# KiCad board SP110Duo.kicad_pcb (continued)
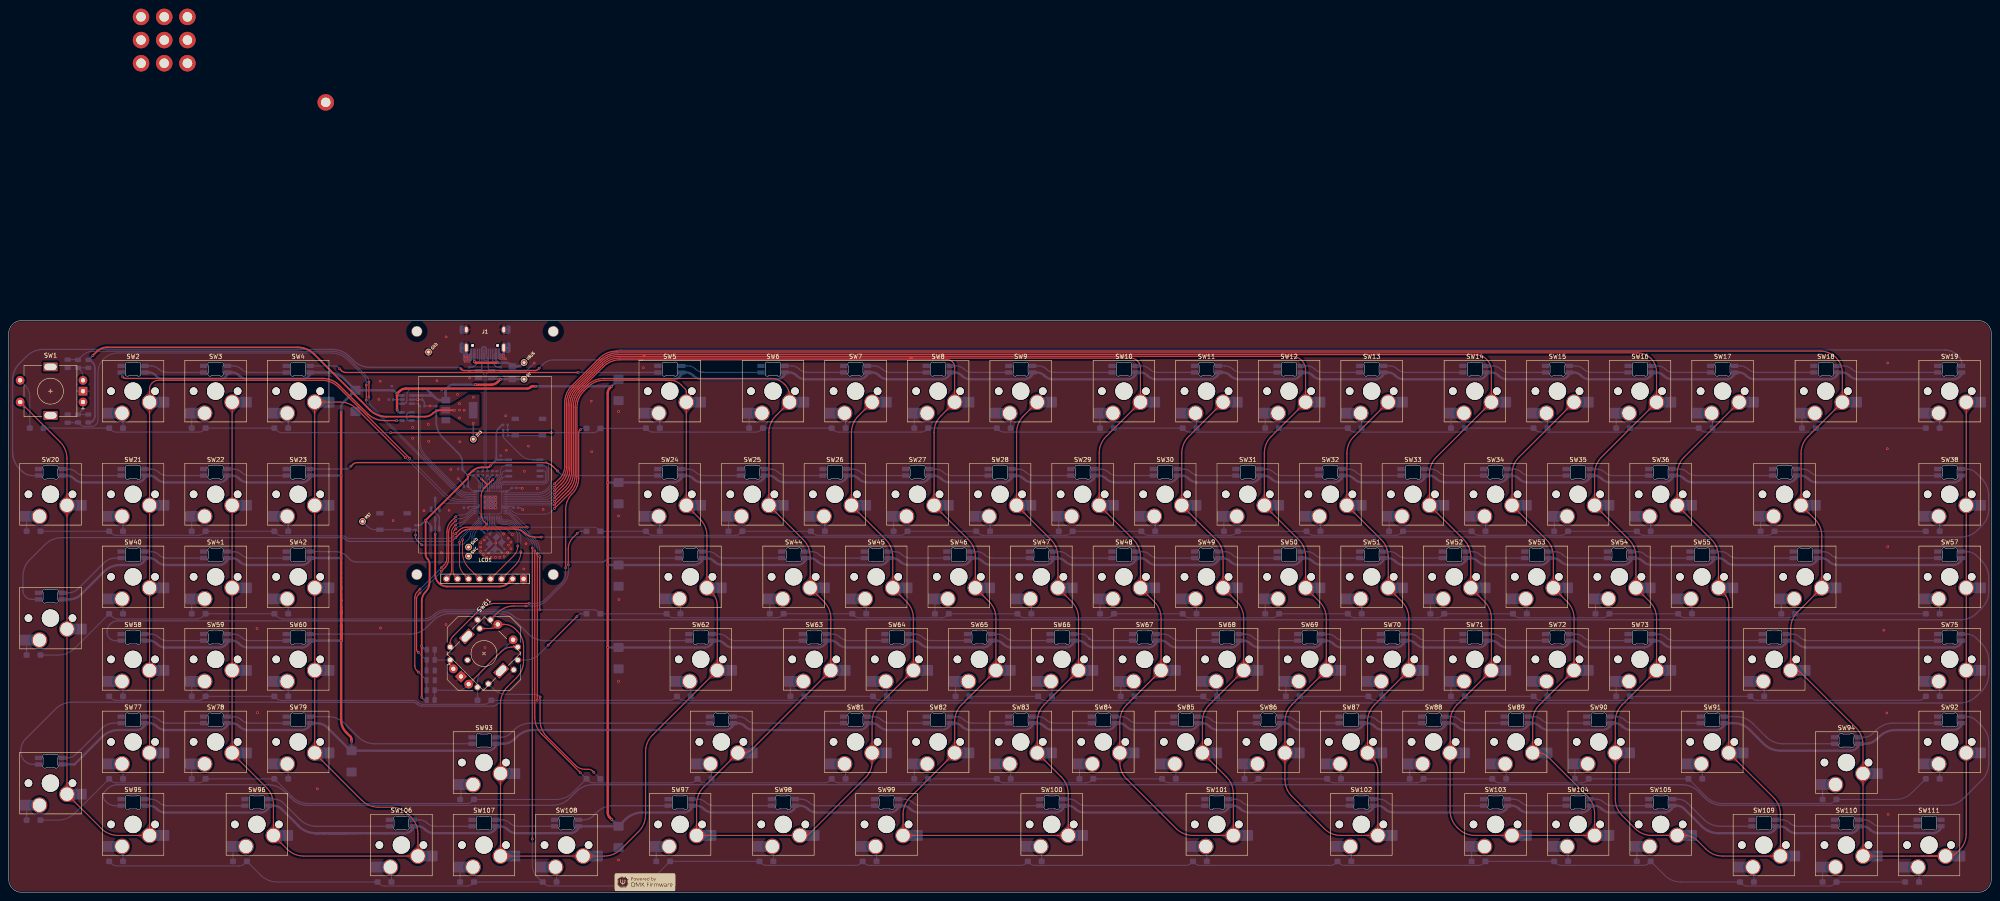
[diagram p0: board, top side]
## Routing (per net, layer and track width the routed paths; a pad name or vN(x,y) marks a point on that pad's centre or on a via; arc(x,y) is an arc through that point) (continued)
ROW3: length 470.7
  Top w0.25: v1(121.95,44.33) 121.95,45.35 arc(121.95,45.35) 121.95,45.35 121.95,78.16 arc(121.95,78.17) 121.95,78.17 v1(121.95,78.17) 121.95,78.1
  Bottom w0.2: U4.14 114.84,87.41 arc(115.12,87.36) 115.36,87.2 121.09,81.47 arc(121.72,80.51) 121.95,79.39 v1(121.95,78.17)
  Bottom w0.25: D58.1 23.65,44.79 arc(24.16,44.45) 24.76,44.33 43.86,44.33 arc(44.46,44.45) 44.97,44.79 arc(45.49,45.13) 46.09,45.25 60.95,45.25 arc(61.26,45.19) 61.52,45.01 61.76,44.78 arc(62.29,44.42) 62.91,44.3 93.36,44.3 arc(93.95,44.18) 94.45,43.85 arc(94.95,43.52) 95.53,43.4 109.78,43.4 arc(110.38,43.52) 110.89,43.86 111.12,44.1 arc(111.38,44.27) 111.68,44.33 152.58,44.33 arc(153.18,44.45) 153.69,44.79 arc(154.15,44.98) 154.62,44.79 arc(155.13,44.45) 155.73,44.33 181.97,44.33 arc(182.57,44.45) 183.09,44.79 arc(183.6,45.13) 184.2,45.25 199.07,45.25 arc(199.37,45.19) 199.63,45.02 199.86,44.79 arc(200.37,44.45) 200.98,44.33 220.07,44.33 arc(220.67,44.45) 221.19,44.79 221.42,45.02 arc(221.67,45.19) 221.98,45.25 236.84,45.25 arc(237.45,45.13) 237.96,44.79 arc(238.47,44.45) 239.08,44.33 258.17,44.33 arc(258.77,44.45) 259.29,44.79 259.52,45.02 arc(259.77,45.19) 260.08,45.25 274.94,45.25 arc(275.55,45.13) 276.06,44.79 arc(276.57,44.45) 277.18,44.33 296.27,44.33 arc(296.87,44.45) 297.39,44.79 297.62,45.02 arc(297.87,45.19) 298.18,45.25 313.04,45.25 arc(313.65,45.13) 314.16,44.79 arc(314.67,44.45) 315.28,44.33 334.37,44.33 arc(334.97,44.45) 335.49,44.79 335.72,45.02 arc(335.97,45.19) 336.28,45.25 351.14,45.25 arc(351.75,45.13) 352.26,44.79 arc(352.77,44.45) 353.38,44.33 372.47,44.33 arc(373.07,44.45) 373.59,44.79 373.82,45.02 arc(374.07,45.19) 374.38,45.25 401.15,45.25 arc(401.75,45.13) 402.27,44.79 arc(402.78,44.45) 403.38,44.33 440.71,44.33 arc(441.31,44.45) 441.82,44.79 D75.1
ROW4: length 520.1
  Top w0.25: v1(121.37,78.83) 121.37,40.38 arc(121.79,38.3) 122.97,36.53 v1(131.85,27.65)
  Bottom w0.2: U4.15 113.7,86.29 arc(113.73,86.16) 113.8,86.05 arc(113.91,85.98) 114.04,85.95 115.01,85.95 arc(116.03,85.75) 116.89,85.17 120.72,81.34 arc(121.2,80.62) 121.37,79.76 v1(121.37,78.83)
  Bottom w0.25: D92.1 439.12,23.03 arc(437.35,21.85) 435.27,21.44 422,21.44 arc(421.7,21.38) 421.44,21.21 421.21,20.98 arc(420.7,20.63) 420.09,20.51 395.46,20.51 arc(393.38,20.93) 391.61,22.11 D91.1 364.85,26.2 arc(364.55,26.14) 364.29,25.97 364.06,25.74 arc(363.55,25.4) 362.94,25.28 343.85,25.28 arc(343.25,25.4) 342.74,25.74 arc(342.22,26.08) 341.62,26.2 326.75,26.2 arc(326.45,26.14) 326.19,25.97 325.96,25.74 arc(325.45,25.4) 324.84,25.28 305.75,25.28 arc(305.15,25.4) 304.64,25.74 arc(304.12,26.08) 303.52,26.2 288.65,26.2 arc(288.35,26.14) 288.09,25.97 287.86,25.74 arc(287.35,25.4) 286.74,25.28 267.65,25.28 arc(267.05,25.4) 266.54,25.74 arc(266.02,26.08) 265.42,26.2 250.55,26.2 arc(250.25,26.14) 249.99,25.97 249.76,25.74 arc(249.25,25.4) 248.64,25.28 229.55,25.28 arc(228.95,25.4) 228.44,25.74 arc(227.92,26.08) 227.32,26.2 212.45,26.2 arc(212.15,26.14) 211.89,25.97 211.66,25.74 arc(211.15,25.4) 210.54,25.28 191.45,25.28 arc(190.85,25.4) 190.34,25.74 190.1,25.97 arc(189.87,26.07) 189.64,25.97 189.41,25.74 arc(188.9,25.4) 188.29,25.28 160.5,25.28 arc(159.89,25.4) 159.38,25.74 arc(158.92,25.93) 158.45,25.74 arc(157.94,25.4) 157.34,25.28 134.88,25.28 arc(134.27,25.4) 133.76,25.74 133.3,26.2 ; 133.3,26.2 130.13,23.03 arc(128.37,21.85) 126.28,21.44 107.68,21.44 arc(107.37,21.38) 107.12,21.21 106.89,20.98 arc(106.37,20.63) 105.77,20.51 69.23,20.51 arc(67.14,20.93) 65.38,22.11 D79.1 45.76,26.2 arc(45.46,26.14) 45.2,25.97 44.97,25.74 arc(44.46,25.4) 43.86,25.28 24.76,25.28 arc(24.16,25.4) 23.65,25.74 arc(23.19,25.93) 22.72,25.74 15.25,18.27 arc(13.49,17.09) 11.41,16.68 D76.2 ; 133.3,26.2 arc(133.3,26.2) D115.1 ; 133.3,26.2 arc(133.3,26.2) D115.1 ; v1(131.85,27.65) 133.3,26.2 arc(133.3,26.2) D115.1
ROW5: length 513.4
  Top w0.25: v1(120.8,79.5) v1(120.8,12.3)
  Bottom w0.2: v1(120.8,79.5) 120.8,80.13 arc(120.68,80.72) 120.35,81.21 116.75,84.82 arc(115.88,85.4) 114.86,85.6 114.08,85.6 arc(113.78,85.66) 113.53,85.83 113.48,85.87 arc(113.35,86.07) 113.3,86.32 U4.16
  Bottom w0.25: D111.1 422.33,2.39 arc(421.72,2.27) 421.21,1.93 arc(420.7,1.58) 420.09,1.46 401,1.46 arc(400.4,1.58) 399.89,1.93 arc(399.37,2.27) 398.77,2.39 385.83,2.39 arc(383.74,2.8) 381.98,3.98 379.04,6.92 arc(378.81,7.02) 378.58,6.92 378.35,6.69 arc(377.84,6.35) 377.23,6.23 358.14,6.23 arc(357.54,6.35) 357.02,6.69 arc(356.51,7.03) 355.91,7.15 341.04,7.15 arc(340.74,7.09) 340.48,6.92 340.25,6.69 arc(339.74,6.35) 339.13,6.23 308.13,6.23 arc(307.53,6.35) 307.02,6.69 arc(306.55,6.88) 306.09,6.69 arc(305.58,6.35) 304.98,6.23 274.8,6.23 arc(274.19,6.35) 273.68,6.69 arc(273.22,6.88) 272.75,6.69 arc(272.24,6.35) 271.64,6.23 236.7,6.23 arc(236.09,6.35) 235.58,6.69 arc(235.12,6.88) 234.65,6.69 arc(234.14,6.35) 233.54,6.23 198.6,6.23 arc(197.99,6.35) 197.48,6.69 197.25,6.92 arc(197.02,7.02) 196.79,6.92 196.55,6.69 arc(196.04,6.35) 195.44,6.23 174.78,6.23 arc(174.18,6.35) 173.67,6.69 arc(173.15,7.03) 172.55,7.15 D97.2 148.5,3.06 arc(146.73,1.88) 144.65,1.46 124.78,1.46 arc(124.17,1.58) 123.66,1.93 123.23,2.36 ; D95.1 23.71,6.63 arc(24.29,6.24) 24.98,6.1 53.17,6.1 arc(53.85,6.24) 54.43,6.63 arc(54.96,6.84) 55.49,6.63 58.13,3.98 arc(59.89,2.8) 61.98,2.39 84.44,2.39 arc(85.05,2.27) 85.56,1.93 arc(86.07,1.58) 86.68,1.46 105.77,1.46 arc(106.37,1.58) 106.89,1.93 107.12,2.16 arc(107.37,2.33) 107.68,2.39 123.15,2.39 ; 123.23,2.36 arc(123.19,2.38) 123.15,2.39 ; 123.23,2.36 arc(123.19,2.38) 123.15,2.39 ; 123.15,2.39 arc(123.11,2.4) 123.08,2.42 121.96,3.54 arc(121.1,4.82) 120.8,6.33 v1(120.8,12.3)
SWC: length 10.4
  Bottom w0.2: TP6.1 107.02,78.52 arc(107.15,78.72) 107.2,78.95 107.2,80.86 arc(107.58,82.76) 108.65,84.37 109.83,85.55 arc(110.03,85.84) 110.1,86.2 U4.24
SWD: length 8.1
  Bottom w0.2: U4.25 109.7,86.24 arc(109.64,85.94) 109.46,85.67 107.77,83.98 arc(107.09,82.96) 106.85,81.76 106.85,81.51 arc(106.66,80.53) TP7.1
XIN: length 8.9
  Bottom w0.2: 113.73,80.29 113.73,82.06 arc(113.69,82.23) 113.59,82.39 111.92,84.06 arc(111.76,84.3) 111.7,84.59 U4.20
  Bottom w0.25: Y1.3 113.73,80.1 arc(113.77,79.92) 113.87,79.76 C11.2
XOUT: length 4
  Bottom w0.2: R8.1 111.05,82.72 arc(111.24,83) 111.3,83.32 U4.21
Net-(BOOT1-Pad1): length 8
  Bottom w0.25: R12.1 BOOT1.1 BOOT1.1
Net-(C12-Pad2): length 4.1
  Bottom w0.2: 110.97,80.29 110.97,80.81
  Bottom w0.25: R8.2 110.84,81.42 arc(110.94,81.27) 110.97,81.1 110.97,80.17 arc(110.92,79.92) 110.79,79.72 C12.2
Net-(D1-K): length 11.8
  Bottom w0.25: D1.1 4.87,114.38 arc(4.58,115.84) 3.76,117.07 SW1.S1
Net-(D2-A): length 3.7
  Bottom w0.25: SW2.2 26.27,110.49 arc(26.36,110.36) 26.39,110.21 26.39,107.33 arc(26.34,107.27) 26.27,107.28 26.15,107.4
Net-(D3-K): length 3.5
  Bottom w0.25: D3.1 42.24,110.29 arc(42.26,110.41) 42.33,110.52 SW3.2
Net-(D4-A): length 3.5
  Bottom w0.25: SW4.2 64.37,110.49 arc(64.46,110.36) 64.49,110.21 D4.2
Net-(D5-A): length 3.7
  Bottom w0.25: 149.98,107.4 150.09,107.28 arc(150.17,107.27) 150.21,107.33 150.21,110.21 arc(150.18,110.36) 150.09,110.49 SW5.2
Net-(D6-K): length 3.6
  Bottom w0.25: 171.01,107.35 170.92,107.26 arc(170.86,107.25) 170.82,107.3 170.82,110.29 arc(170.85,110.41) 170.92,110.52 SW6.2
Net-(D7-A): length 3.7
  Bottom w0.25: 192.84,107.4 192.96,107.28 arc(193.03,107.27) 193.07,107.33 193.07,110.21 arc(193.04,110.36) 192.96,110.49 SW7.2
Net-(D8-K): length 3.6
  Bottom w0.25: SW8.2 209.02,110.52 arc(208.95,110.41) 208.92,110.29 208.92,107.3 arc(208.96,107.25) 209.02,107.26 209.11,107.35
Net-(D9-A): length 3.7
  Bottom w0.25: 230.94,107.4 231.06,107.28 arc(231.13,107.27) 231.17,107.33 231.17,110.21 arc(231.14,110.36) 231.06,110.49 SW9.2
Net-(D10-K): length 3.6
  Bottom w0.25: SW10.2 251.88,110.52 arc(251.81,110.41) 251.79,110.29 251.79,107.3 arc(251.82,107.25) 251.88,107.26 251.97,107.35
Net-(D11-A): length 3.7
  Bottom w0.25: 273.8,107.4 273.92,107.28 arc(273.99,107.27) 274.04,107.33 274.04,110.21 arc(274.01,110.36) 273.92,110.49 SW11.2
Net-(D12-K): length 3.6
  Bottom w0.25: SW12.2 289.98,110.52 arc(289.91,110.41) 289.89,110.29 289.89,107.3 arc(289.92,107.25) 289.98,107.26 290.07,107.35
Net-(D13-A): length 3.7
  Bottom w0.25: SW13.2 312.02,110.49 arc(312.11,110.36) 312.14,110.21 312.14,107.33 arc(312.09,107.27) 312.02,107.28 311.9,107.4
Net-(D14-K): length 3.6
  Bottom w0.25: SW14.2 332.84,110.52 arc(332.77,110.41) 332.75,110.29 332.75,107.3 arc(332.78,107.25) 332.84,107.26 332.94,107.35
Net-(D15-A): length 3.7
  Bottom w0.25: SW15.2 354.88,110.49 arc(354.97,110.36) 355,110.21 355,107.33 arc(354.96,107.27) 354.88,107.28 354.77,107.4
Net-(D16-K): length 3.6
  Bottom w0.25: 371.04,107.35 370.94,107.26 arc(370.88,107.25) 370.85,107.3 370.85,110.29 arc(370.87,110.41) 370.94,110.52 SW16.2
Net-(D17-A): length 3.5
  Bottom w0.25: D17.2 393.1,110.21 arc(393.07,110.36) 392.98,110.49 SW17.2
Net-(D18-K): length 3.5
  Bottom w0.25: SW18.2 413.8,110.52 arc(413.73,110.41) 413.71,110.29 D18.1
Net-(D19-A): length 3.5
  Bottom w0.25: D19.2 445.49,110.21 arc(445.46,110.36) 445.37,110.49 SW19.2
Net-(D20-K): length 3.5
  Bottom w0.25: D20.1 4.14,86.48 arc(4.16,86.6) 4.23,86.7 SW20.2
Net-(D21-A): length 3.5
  Bottom w0.25: D21.2 26.39,86.4 arc(26.36,86.55) 26.27,86.68 SW21.2
Net-(D22-K): length 3.5
  Bottom w0.25: SW22.2 42.33,86.7 arc(42.26,86.6) 42.24,86.48 D22.1
Net-(D23-A): length 3.5
  Bottom w0.25: D23.2 64.49,86.4 arc(64.46,86.55) 64.37,86.68 SW23.2
Net-(D24-A): length 3.5
  Bottom w0.25: D24.2 150.21,86.4 arc(150.18,86.55) 150.09,86.68 SW24.2
Net-(D25-K): length 3.5
  Bottom w0.25: D25.1 166.06,86.48 arc(166.08,86.6) 166.15,86.7 SW25.2
Net-(D26-A): length 3.5
  Bottom w0.25: D26.2 188.31,86.4 arc(188.28,86.55) 188.19,86.68 SW26.2
Net-(D27-K): length 3.5
  Bottom w0.25: SW27.2 204.25,86.7 arc(204.18,86.6) 204.16,86.48 D27.1
Net-(D28-A): length 3.5
  Bottom w0.25: D28.2 226.41,86.4 arc(226.38,86.55) 226.29,86.68 SW28.2
Net-(D29-K): length 3.5
  Bottom w0.25: D29.1 242.26,86.48 arc(242.28,86.6) 242.35,86.7 SW29.2
Net-(D30-A): length 3.5
  Bottom w0.25: D30.2 264.51,86.4 arc(264.48,86.55) 264.39,86.68 SW30.2
Net-(D31-K): length 3.5
  Bottom w0.25: SW31.2 280.45,86.7 arc(280.38,86.6) 280.36,86.48 D31.1
Net-(D32-A): length 3.5
  Bottom w0.25: D32.2 302.61,86.4 arc(302.58,86.55) 302.49,86.68 SW32.2
Net-(D33-K): length 3.5
  Bottom w0.25: D33.1 318.46,86.48 arc(318.48,86.6) 318.55,86.7 SW33.2
Net-(D34-A): length 3.5
  Bottom w0.25: D34.2 340.71,86.4 arc(340.68,86.55) 340.59,86.68 SW34.2
Net-(D35-K): length 3.5
  Bottom w0.25: D35.1 356.56,86.48 arc(356.58,86.6) 356.65,86.7 SW35.2
Net-(D36-A): length 3.5
  Bottom w0.25: D36.2 378.81,86.4 arc(378.78,86.55) 378.69,86.68 SW36.2
Net-(D37-K): length 3.5
  Bottom w0.25: D37.1 404.19,86.48 arc(404.21,86.6) 404.28,86.7 SW37.2
Net-(D38-A): length 3.5
  Bottom w0.25: SW38.2 445.37,86.68 arc(445.46,86.55) 445.49,86.4 D38.2
Net-(D39-K): length 3.5
  Bottom w0.25: SW39.2 4.23,58.13 arc(4.16,58.02) 4.14,57.9 D39.1
Net-(D40-A): length 3.5
  Bottom w0.25: D40.2 26.39,67.35 arc(26.36,67.5) 26.27,67.63 SW40.2
Net-(D41-K): length 3.5
  Bottom w0.25: D41.1 42.24,67.43 arc(42.26,67.55) 42.33,67.65 SW41.2
Net-(D42-A): length 3.5
  Bottom w0.25: SW42.2 64.37,67.63 arc(64.46,67.5) 64.49,67.35 D42.2
Net-(D43-A): length 3.5
  Bottom w0.25: SW43.2 154.86,67.63 arc(154.94,67.5) 154.97,67.35 D43.2
Net-(D44-K): length 3.5
  Bottom w0.25: D44.1 175.59,67.43 arc(175.61,67.55) 175.68,67.65 SW44.2
Net-(D45-A): length 3.5
  Bottom w0.25: SW45.2 197.72,67.63 arc(197.81,67.5) 197.84,67.35 D45.2
Net-(D46-K): length 3.5
  Bottom w0.25: SW46.2 213.78,67.65 arc(213.71,67.55) 213.69,67.43 D46.1
Net-(D47-A): length 3.5
  Bottom w0.25: SW47.2 235.82,67.63 arc(235.91,67.5) 235.94,67.35 D47.2
Net-(D48-K): length 3.5
  Bottom w0.25: SW48.2 251.88,67.65 arc(251.81,67.55) 251.79,67.43 D48.1
Net-(D49-A): length 3.5
  Bottom w0.25: SW49.2 273.92,67.63 arc(274.01,67.5) 274.04,67.35 D49.2
Net-(D50-K): length 3.5
  Bottom w0.25: SW50.2 289.98,67.65 arc(289.91,67.55) 289.89,67.43 D50.1
Net-(D51-A): length 3.5
  Bottom w0.25: SW51.2 312.02,67.63 arc(312.11,67.5) 312.14,67.35 D51.2
Net-(D52-K): length 3.5
  Bottom w0.25: D52.1 327.99,67.43 arc(328.01,67.55) 328.08,67.65 SW52.2
Net-(D53-A): length 3.5
  Bottom w0.25: D53.2 350.24,67.35 arc(350.21,67.5) 350.12,67.63 SW53.2
Net-(D54-K): length 3.5
  Bottom w0.25: SW54.2 366.18,67.65 arc(366.11,67.55) 366.09,67.43 D54.1
Net-(D55-A): length 3.5
  Bottom w0.25: SW55.2 388.22,67.63 arc(388.31,67.5) 388.34,67.35 D55.2
Net-(D56-K): length 3.5
  Bottom w0.25: D56.1 408.95,67.43 arc(408.97,67.55) 409.04,67.65 SW56.2
Net-(D57-A): length 3.5
  Bottom w0.25: SW57.2 445.37,67.63 arc(445.46,67.5) 445.49,67.35 D57.2
Net-(D58-A): length 3.5
  Bottom w0.25: SW58.2 26.27,48.58 arc(26.36,48.45) 26.39,48.3 D58.2
Net-(D59-K): length 3.5
  Bottom w0.25: SW59.2 42.33,48.6 arc(42.26,48.5) 42.24,48.38 D59.1
Net-(D60-A): length 3.5
  Bottom w0.25: SW60.2 64.37,48.58 arc(64.46,48.45) 64.49,48.3 D60.2
Net-(D62-A): length 3.5
  Bottom w0.25: SW62.2 157.24,48.58 arc(157.32,48.45) 157.35,48.3 D62.2
Net-(D63-K): length 3.5
  Bottom w0.25: D63.1 180.35,48.38 arc(180.37,48.5) 180.44,48.6 SW63.2
Net-(D64-A): length 3.5
  Bottom w0.25: D64.2 202.6,48.3 arc(202.57,48.45) 202.48,48.58 SW64.2
Net-(D65-K): length 3.5
  Bottom w0.25: SW65.2 218.54,48.6 arc(218.47,48.5) 218.45,48.38 D65.1
Net-(D66-A): length 3.5
  Bottom w0.25: SW66.2 240.58,48.58 arc(240.67,48.45) 240.7,48.3 D66.2
Net-(D67-K): length 3.5
  Bottom w0.25: D67.1 256.55,48.38 arc(256.57,48.5) 256.64,48.6 SW67.2
Net-(D68-A): length 3.5
  Bottom w0.25: D68.2 278.8,48.3 arc(278.77,48.45) 278.68,48.58 SW68.2
Net-(D69-K): length 3.5
  Bottom w0.25: D69.1 294.65,48.38 arc(294.67,48.5) 294.74,48.6 SW69.2
Net-(D70-A): length 3.5
  Bottom w0.25: D70.2 316.9,48.3 arc(316.87,48.45) 316.78,48.58 SW70.2
Net-(D71-K): length 3.5
  Bottom w0.25: D71.1 332.75,48.38 arc(332.77,48.5) 332.84,48.6 SW71.2
Net-(D72-A): length 3.5
  Bottom w0.25: SW72.2 354.88,48.58 arc(354.97,48.45) 355,48.3 D72.2
Net-(D73-K): length 3.5
  Bottom w0.25: SW73.2 370.94,48.6 arc(370.87,48.5) 370.85,48.38 D73.1
Net-(D74-A): length 3.5
  Bottom w0.25: SW74.2 404.89,48.58 arc(404.97,48.45) 405,48.3 D74.2
Net-(D75-A): length 3.5
  Bottom w0.25: SW75.2 445.37,48.58 arc(445.46,48.45) 445.49,48.3 D75.2
Net-(D76-K): length 3.5
  Bottom w0.25: SW76.2 4.23,20.03 arc(4.16,19.92) 4.14,19.8 D76.1
Net-(D77-A): length 3.5
  Bottom w0.25: SW77.2 26.27,29.53 arc(26.36,29.4) 26.39,29.25 D77.2
Net-(D78-K): length 3.5
  Bottom w0.25: D78.1 42.24,29.33 arc(42.26,29.45) 42.33,29.55 SW78.2
Net-(D79-A): length 3.5
  Bottom w0.25: SW79.2 64.37,29.53 arc(64.46,29.4) 64.49,29.25 D79.2
Net-(D80-A): length 3.5
  Bottom w0.25: SW80.2 162,29.53 arc(162.09,29.4) 162.12,29.25 D80.2
Net-(D81-A): length 3.5
  Bottom w0.25: D81.2 193.07,29.25 arc(193.04,29.4) 192.96,29.53 SW81.2
Net-(D82-K): length 3.5
  Bottom w0.25: SW82.2 209.02,29.55 arc(208.95,29.45) 208.92,29.33 D82.1
Net-(D83-A): length 3.5
  Bottom w0.25: D83.2 231.17,29.25 arc(231.14,29.4) 231.06,29.53 SW83.2
Net-(D84-K): length 3.5
  Bottom w0.25: D84.1 247.02,29.33 arc(247.05,29.45) 247.12,29.55 SW84.2
Net-(D85-A): length 3.5
  Bottom w0.25: SW85.2 269.16,29.53 arc(269.24,29.4) 269.27,29.25 D85.2
Net-(D86-K): length 3.5
  Bottom w0.25: D86.1 285.12,29.33 arc(285.15,29.45) 285.22,29.55 SW86.2
Net-(D87-A): length 3.5
  Bottom w0.25: D87.2 307.37,29.25 arc(307.34,29.4) 307.26,29.53 SW87.2
Net-(D88-K): length 3.5
  Bottom w0.25: D88.1 323.22,29.33 arc(323.25,29.45) 323.32,29.55 SW88.2
Net-(D89-A): length 3.5
  Bottom w0.25: SW89.2 345.36,29.53 arc(345.44,29.4) 345.47,29.25 D89.2
Net-(D90-K): length 3.5
  Bottom w0.25: D90.1 361.32,29.33 arc(361.35,29.45) 361.42,29.55 SW90.2
Net-(D91-A): length 3.5
  Bottom w0.25: SW91.2 390.6,29.53 arc(390.69,29.4) 390.72,29.25 D91.2
Net-(D92-A): length 3.5
  Bottom w0.25: D92.2 445.49,29.25 arc(445.46,29.4) 445.37,29.53 SW92.2
Net-(D93-K): length 3.5
  Bottom w0.25: SW93.2 104.34,21.76 arc(104.31,21.64) 104.24,21.53 D93.1
Net-(D94-K): length 3.5
  Bottom w0.25: SW94.2 418.57,24.79 arc(418.5,24.69) 418.47,24.56 D94.1
Net-(D95-A): length 3.5
  Bottom w0.25: D95.2 26.39,10.2 arc(26.36,10.35) 26.27,10.48 SW95.2
Net-(D96-K): length 3.5
  Bottom w0.25: SW96.2 51.85,10.5 arc(51.78,10.4) 51.76,10.28 D96.1
Net-(D97-K): length 3.5
  Bottom w0.25: D97.1 149.39,10.28 arc(149.42,10.4) 149.49,10.5 SW97.2
Net-(D98-A): length 3.5
  Bottom w0.25: SW98.2 176.29,10.48 arc(176.37,10.35) 176.4,10.2 D98.2
Net-(D99-A): length 3.5
  Bottom w0.25: SW99.2 200.1,10.48 arc(200.19,10.35) 200.22,10.2 D99.2
Net-(D100-A): length 3.5
  Bottom w0.25: SW100.2 238.2,10.48 arc(238.29,10.35) 238.32,10.2 D100.2
Net-(D101-A): length 3.5
  Bottom w0.25: SW101.2 276.3,10.48 arc(276.39,10.35) 276.42,10.2 D101.2
Net-(D102-A): length 3.5
  Bottom w0.25: D102.2 309.75,10.2 arc(309.72,10.35) 309.64,10.48 SW102.2
Net-(D103-K): length 3.5
  Bottom w0.25: SW103.2 337.6,10.5 arc(337.53,10.4) 337.51,10.28 D103.1
Net-(D104-A): length 3.5
  Bottom w0.25: D104.2 359.76,10.2 arc(359.73,10.35) 359.64,10.48 SW104.2
Net-(D105-K): length 3.5
  Bottom w0.25: SW105.2 375.7,10.5 arc(375.63,10.4) 375.61,10.28 D105.1
Net-(D106-A): length 3.5
  Bottom w0.25: D106.2 88.3,5.44 arc(88.27,5.59) 88.18,5.72 SW106.2
Net-(D107-K): length 3.5
  Bottom w0.25: D107.1 104.15,5.51 arc(104.17,5.64) 104.24,5.74 SW107.2
Net-(D108-A): length 3.5
  Bottom w0.25: SW108.2 126.28,5.72 arc(126.37,5.59) 126.4,5.44 D108.2
Net-(D109-A): length 3.5
  Bottom w0.25: SW109.2 402.51,5.72 arc(402.59,5.59) 402.62,5.44 D109.2
Net-(D110-K): length 3.5
  Bottom w0.25: SW110.2 418.57,5.74 arc(418.5,5.64) 418.47,5.51 D110.1
Net-(D111-A): length 3.5
  Bottom w0.25: D111.2 440.72,5.44 arc(440.69,5.59) 440.61,5.72 SW111.2
Net-(Q1-G): length 7.1
  Bottom w0.3: Q1.1 99.35,86.43 arc(99.3,86.7) 99.14,86.93 98.61,87.46 arc(98.46,87.7) 98.4,87.98 Q2.3
Net-(R11-Pad2): length 1.2
  Bottom w0.25: R11.2 115.12,106.7 arc(115.13,106.71) 115.13,106.72 R9.1
Net-(SW2-DOUT): length 14
  Bottom w0.3: 31.44,121.52 32.84,121.52 arc(33.82,121.32) 34.65,120.77 arc(35.48,120.21) 36.46,120.02 44.99,120.02
Net-(SW3-DOUT): length 14
  Bottom w0.3: 64.04,120.02 55.51,120.02 arc(54.53,120.21) 53.7,120.77 arc(52.87,121.32) 51.89,121.52 50.49,121.52
Net-(SW4-DOUT): length 80.7
  Top w0.3: v1(131.4,120) 77.8,120 arc(77.25,120.11) 76.77,120.42 v1(76.35,120.85)
  Bottom w0.3: v1(131.4,120) 131.41,120.01 arc(131.42,120.02) 131.43,120.02 149.77,120.02 ; 69.54,121.52 75.21,121.52 arc(75.64,121.43) 76.02,121.18 v1(76.35,120.85)
Net-(SW5-DOUT): length 18.7
  Bottom w0.3: 155.27,121.52 156.7,121.52 arc(157.68,121.32) 158.51,120.77 arc(159.34,120.21) 160.32,120.02 173.58,120.02
Net-(SW6-DOUT): length 14
  Bottom w0.3: 179.08,121.52 180.6,121.52 arc(181.58,121.32) 182.41,120.77 arc(183.24,120.21) 184.22,120.02 192.63,120.02
Net-(SW7-DOUT): length 14
  Bottom w0.3: 198.13,121.52 199.7,121.52 arc(200.68,121.32) 201.51,120.77 arc(202.34,120.21) 203.32,120.02 211.68,120.02
Net-(SW8-DOUT): length 14
  Bottom w0.3: 217.18,121.52 218.6,121.52 arc(219.58,121.32) 220.41,120.77 arc(221.24,120.21) 222.22,120.02 230.73,120.02
Net-(SW10-DIN): length 18.7
  Bottom w0.3: 236.23,121.52 237.6,121.52 arc(238.58,121.32) 239.41,120.77 arc(240.24,120.21) 241.22,120.02 254.54,120.02
Net-(SW10-DOUT): length 14
  Bottom w0.3: 273.59,120.02 265.02,120.02 arc(264.04,120.21) 263.21,120.77 arc(262.38,121.32) 261.4,121.52 260.04,121.52
Net-(SW11-DOUT): length 14
  Bottom w0.3: 279.09,121.52 280.6,121.52 arc(281.58,121.32) 282.41,120.77 arc(283.24,120.21) 284.22,120.02 292.64,120.02
Net-(SW12-DOUT): length 14
  Bottom w0.3: 311.69,120.02 303.12,120.02 arc(302.14,120.21) 301.31,120.77 arc(300.48,121.32) 299.5,121.52 298.14,121.52
Net-(SW13-DOUT): length 18.7
  Bottom w0.3: 335.51,120.02 322.22,120.02 arc(321.24,120.21) 320.41,120.77 arc(319.58,121.32) 318.6,121.52 317.19,121.52
Net-(SW14-DOUT): length 14
  Bottom w0.3: 354.56,120.02 346.02,120.02 arc(345.04,120.21) 344.21,120.77 arc(343.38,121.32) 342.4,121.52 341.01,121.52
Net-(SW15-DOUT): length 14
  Bottom w0.3: 373.61,120.02 365.12,120.02 arc(364.14,120.21) 363.31,120.77 arc(362.48,121.32) 361.5,121.52 360.06,121.52
Net-(SW16-DOUT): length 14
  Bottom w0.3: 379.11,121.52 380.4,121.52 arc(381.38,121.32) 382.21,120.77 arc(383.04,120.21) 384.02,120.02 392.66,120.02
Net-(SW17-DOUT): length 18.7
  Bottom w0.3: 398.16,121.52 399.5,121.52 arc(400.48,121.32) 401.31,120.77 arc(402.14,120.21) 403.12,120.02 416.47,120.02
Net-(SW18-DOUT): length 23.5
  Bottom w0.3: 445.04,120.02 427.02,120.02 arc(426.04,120.21) 425.21,120.77 arc(424.38,121.32) 423.4,121.52 421.97,121.52
Net-(SW19-DOUT): length 484.3
  Top w0.3: v1(122.4,121) 122.12,120.72 arc(121.82,120.52) 121.46,120.45 105.03,120.45 arc(104.77,120.5) 104.55,120.65 v1(104.35,120.85)
  Bottom w0.3: v1(104.35,120.85) 104.17,121.03 arc(103.98,121.15) 103.75,121.2 83.36,121.2 arc(81.27,121.61) 79.51,122.79 78.57,123.73 arc(76.8,124.91) 74.72,125.33 7.98,125.33 arc(5.9,124.91) 4.13,123.73 2.58,122.18 arc(2.49,122.09) 2.41,122.01 arc(2.33,121.92) 2.25,121.83 2.18,121.74 arc(2.03,121.56) 1.89,121.37 arc(1.75,121.17) 1.63,120.97 arc(1.52,120.76) 1.41,120.54 arc(1.32,120.33) 1.23,120.11 arc(1.15,119.88) 1.09,119.65 arc(1.03,119.42) 0.99,119.19 arc(0.95,118.96) 0.92,118.72 0.91,118.6 arc(0.9,118.48) 0.9,118.36 arc(0.9,118.25) 0.9,118.13 0.9,101.77 arc(0.9,101.65) 0.9,101.54 arc(0.9,101.42) 0.91,101.3 0.92,101.18 arc(0.95,100.94) 0.99,100.71 arc(1.03,100.48) 1.09,100.25 arc(1.15,100.02) 1.23,99.79 arc(1.32,99.57) 1.41,99.36 arc(1.52,99.14) 1.63,98.93 arc(1.75,98.73) 1.89,98.53 arc(2.03,98.34) 2.18,98.16 2.25,98.07 arc(2.33,97.98) 2.41,97.89 arc(2.49,97.81) 2.58,97.72 3.04,97.26 arc(3.1,97.2) 3.17,97.13 arc(3.24,97.07) 3.31,97 3.39,96.95 arc(3.54,96.83) 3.7,96.73 arc(3.86,96.63) 4.03,96.54 arc(4.2,96.47) 4.38,96.4 arc(4.56,96.34) 4.74,96.29 arc(4.93,96.26) 5.12,96.23 5.21,96.22 arc(5.3,96.21) 5.4,96.21 arc(5.49,96.21) 5.59,96.21 SW20.5 ; 450.54,121.52 450.54,122.17 arc(450.54,122.24) 450.54,122.31 arc(450.54,122.37) 450.53,122.44 450.52,122.51 arc(450.49,122.64) 450.46,122.77 arc(450.41,122.9) 450.35,123.02 arc(450.29,123.14) 450.21,123.26 450.17,123.31 arc(450.13,123.37) 450.08,123.42 arc(450.03,123.47) 449.99,123.51 449.49,124.01 arc(449.42,124.08) 449.35,124.14 arc(449.29,124.21) 449.21,124.27 449.14,124.33 arc(448.99,124.44) 448.84,124.55 arc(448.68,124.65) 448.52,124.75 arc(448.35,124.83) 448.18,124.91 arc(448,124.97) 447.82,125.03 arc(447.64,125.08) 447.46,125.12 arc(447.28,125.16) 447.09,125.18 447,125.19 arc(446.9,125.2) 446.81,125.2 arc(446.71,125.2) 446.62,125.2 141.48,125.2 arc(139.98,124.9) 138.7,124.05 arc(137.43,123.2) 135.93,122.9 125.64,122.9 arc(124.4,122.65) 123.35,121.95 v1(122.4,121)
Net-(SW20-DOUT): length 14
  Bottom w0.3: SW20.4 13.79,97.71 arc(14.77,97.51) 15.6,96.96 arc(16.44,96.4) 17.42,96.21 SW21.5
Net-(SW21-DOUT): length 14
  Bottom w0.3: SW21.4 32.84,97.71 arc(33.82,97.51) 34.65,96.96 arc(35.48,96.4) 36.46,96.21 SW22.5
Net-(SW22-DOUT): length 14
  Bottom w0.3: SW23.5 55.51,96.21 arc(54.53,96.4) 53.7,96.96 arc(52.87,97.51) 51.89,97.71 SW22.4
Net-(SW23-DOUT): length 81.8
  Top w0.3: v1(126.65,97.25) 125.67,98.22 arc(124.6,98.95) 123.32,99.2 80.39,99.2 arc(79.84,99.09) 79.37,98.78 v1(78.95,98.35)
  Bottom w0.3: SW24.5 128.43,96.21 arc(127.75,96.34) 127.17,96.73 v1(126.65,97.25) ; SW23.4 77.84,97.71 arc(78.27,97.79) 78.62,98.03 v1(78.95,98.35)
Net-(SW24-DOUT): length 14
  Bottom w0.3: SW25.5 160.33,96.21 arc(159.35,96.4) 158.52,96.96 arc(157.69,97.51) 156.71,97.71 SW24.4
Net-(SW25-DOUT): length 14
  Bottom w0.3: SW25.4 175.74,97.71 arc(176.72,97.51) 177.55,96.96 arc(178.38,96.4) 179.36,96.21 SW26.5
Net-(SW26-DOUT): length 14
  Bottom w0.3: SW27.5 198.41,96.21 arc(197.43,96.4) 196.6,96.96 arc(195.77,97.51) 194.79,97.71 SW26.4
Net-(SW27-DOUT): length 14
  Bottom w0.3: SW27.4 213.84,97.71 arc(214.82,97.51) 215.65,96.96 arc(216.48,96.4) 217.46,96.21 SW28.5
Net-(SW28-DOUT): length 14
  Bottom w0.3: SW28.4 232.89,97.71 arc(233.87,97.51) 234.7,96.96 arc(235.53,96.4) 236.51,96.21 SW29.5
Net-(SW29-DOUT): length 14
  Bottom w0.3: SW30.5 255.56,96.21 arc(254.58,96.4) 253.75,96.96 arc(252.92,97.51) 251.94,97.71 SW29.4
Net-(SW30-DOUT): length 14
  Bottom w0.3: SW30.4 270.99,97.71 arc(271.97,97.51) 272.8,96.96 arc(273.63,96.4) 274.61,96.21 SW31.5
Net-(SW31-DOUT): length 14
  Bottom w0.3: SW31.4 290.03,97.71 arc(291.01,97.51) 291.85,96.96 arc(292.68,96.4) 293.66,96.21 SW32.5
Net-(SW32-DOUT): length 14
  Bottom w0.3: SW33.5 312.7,96.21 arc(311.73,96.4) 310.89,96.96 arc(310.06,97.51) 309.08,97.71 SW32.4
Net-(SW33-DOUT): length 14
  Bottom w0.3: SW34.5 331.75,96.21 arc(330.77,96.4) 329.94,96.96 arc(329.11,97.51) 328.13,97.71 SW33.4
Net-(SW34-DOUT): length 14
  Bottom w0.3: SW34.4 347.18,97.71 arc(348.16,97.51) 348.99,96.96 arc(349.82,96.4) 350.8,96.21 SW35.5
Net-(SW35-DOUT): length 14
  Bottom w0.3: SW36.5 370.05,96.21 arc(369.07,96.4) 368.24,96.96 arc(367.41,97.51) 366.43,97.71 SW35.4
Net-(SW36-DOUT): length 23.5
  Bottom w0.3: SW37.5 389.1,96.21 arc(388.12,96.4) 387.29,96.96 arc(386.46,97.51) 385.48,97.71 SW36.4
Net-(SW37-DOUT): length 33
  Bottom w0.3: SW37.4 413.91,97.71 arc(414.89,97.51) 415.72,96.96 arc(416.55,96.4) 417.53,96.21 SW38.5
Net-(SW38-DOUT): length 484.3
  Top w0.3: v1(103.15,81.9) 104.14,82.89 arc(105.23,83.62) 106.52,83.88 116.8,83.88 arc(118.02,83.63) 119.06,82.94 arc(120.1,82.24) 121.33,82 v1(122.9,82)
  Bottom w0.3: SW39.5 5.29,67.63 arc(4.53,67.78) 3.88,68.22 arc(3.45,68.86) 3.3,69.63 3.3,72.95 arc(3.71,75.03) 4.89,76.79 8.38,80.28 arc(10.15,81.46) 12.23,81.88 76.71,81.88 arc(77.28,81.76) 77.76,81.44 arc(78.25,81.11) 78.82,81 101.61,81 arc(102.2,81.12) 102.7,81.45 v1(103.15,81.9) ; SW38.4 451.77,97.71 arc(452.9,97.48) 453.86,96.84 455.21,95.49 arc(456.39,93.73) 456.8,91.65 456.8,88.45 arc(456.39,86.37) 455.21,84.61 454.2,83.6 arc(452.43,82.42) 450.35,82 122.9,82 arc(122.9,82) v1(122.9,82)
Net-(SW39-DOUT): length 16.6
  Bottom w0.3: SW40.5 24.53,77.16 arc(23.22,76.9) 22.11,76.15 16.03,70.08 arc(14.98,69.38) 13.74,69.13 SW39.4
Net-(SW40-DOUT): length 14
  Bottom w0.3: SW40.4 32.84,78.66 arc(33.82,78.46) 34.65,77.91 arc(35.49,77.35) 36.47,77.16 SW41.5
Net-(SW41-DOUT): length 14
  Bottom w0.3: SW42.5 55.51,77.16 arc(54.53,77.35) 53.7,77.91 arc(52.87,78.46) 51.89,78.66 SW41.4
Net-(SW42-DOUT): length 86
  Bottom w0.3: SW42.4 75.35,78.66 arc(76.82,78.36) 78.07,77.53 78.71,76.89 arc(79.42,76.42) 80.25,76.25 136.98,76.25 arc(137.32,76.32) 137.61,76.51 137.88,76.78 arc(138.3,77.06) 138.79,77.16 SW43.5
Net-(SW43-DOUT): length 18.7
  Bottom w0.3: SW44.5 165.08,77.16 arc(164.1,77.35) 163.27,77.91 arc(162.44,78.46) 161.46,78.66 SW43.4
Net-(SW44-DOUT): length 14
  Bottom w0.3: SW44.4 185.27,78.66 arc(186.25,78.46) 187.08,77.91 arc(187.91,77.35) 188.89,77.16 SW45.5
Net-(SW45-DOUT): length 14
  Bottom w0.3: SW46.5 207.94,77.16 arc(206.96,77.35) 206.13,77.91 arc(205.3,78.46) 204.32,78.66 SW45.4
Net-(SW46-DOUT): length 14
  Bottom w0.3: SW46.4 223.37,78.66 arc(224.35,78.46) 225.18,77.91 arc(226.01,77.35) 226.99,77.16 SW47.5
Net-(SW47-DOUT): length 14
  Bottom w0.3: SW47.4 242.41,78.66 arc(243.39,78.46) 244.22,77.91 arc(245.06,77.35) 246.04,77.16 SW48.5
Net-(SW48-DOUT): length 14
  Bottom w0.3: SW49.5 265.08,77.16 arc(264.1,77.35) 263.27,77.91 arc(262.44,78.46) 261.46,78.66 SW48.4
Net-(SW49-DOUT): length 14
  Bottom w0.3: SW50.5 284.13,77.16 arc(283.15,77.35) 282.32,77.91 arc(281.49,78.46) 280.51,78.66 SW49.4
Net-(SW50-DOUT): length 14
  Bottom w0.3: SW50.4 299.56,78.66 arc(300.54,78.46) 301.37,77.91 arc(302.2,77.35) 303.18,77.16 SW51.5
Net-(SW51-DOUT): length 14
  Bottom w0.3: SW52.5 322.23,77.16 arc(321.25,77.35) 320.42,77.91 arc(319.59,78.46) 318.61,78.66 SW51.4
Net-(SW52-DOUT): length 14
  Bottom w0.3: SW53.5 341.28,77.16 arc(340.3,77.35) 339.47,77.91 arc(338.64,78.46) 337.66,78.66 SW52.4
Net-(SW53-DOUT): length 14
  Bottom w0.3: SW53.4 356.71,78.66 arc(357.69,78.46) 358.52,77.91 arc(359.35,77.35) 360.33,77.16 SW54.5
Net-(SW54-DOUT): length 14
  Bottom w0.3: SW55.5 379.38,77.16 arc(378.4,77.35) 377.57,77.91 arc(376.74,78.46) 375.76,78.66 SW54.4
Net-(SW55-DOUT): length 18.7
  Bottom w0.3: SW56.5 398.62,77.16 arc(397.64,77.35) 396.81,77.91 arc(395.98,78.46) 395,78.66 SW55.4
Net-(SW56-DOUT): length 28.2
  Bottom w0.3: SW56.4 418.62,78.66 arc(419.6,78.46) 420.43,77.91 arc(421.26,77.35) 422.24,77.16 SW57.5
Net-(SW57-DOUT): length 457.6
  Bottom w0.3: SW57.4 451.79,78.66 arc(452.95,78.43) 453.93,77.77 455.21,76.49 arc(456.39,74.73) 456.8,72.65 456.8,69.45 arc(456.39,67.37) 455.21,65.61 454.09,64.49 arc(452.33,63.31) 450.25,62.9 118.63,62.9 arc(117.4,63.14) 116.36,63.84 arc(115.33,64.53) 114.1,64.78 100.86,64.78 arc(99.49,64.5) 98.32,63.72 arc(97.16,62.95) 95.79,62.68 25.22,62.68 arc(24.25,62.48) 23.44,61.94 23.41,61.91 arc(22.88,61.12) 22.7,60.2 22.7,59.97 arc(22.84,59.26) 23.25,58.65 arc(23.85,58.25) 24.57,58.11 SW58.5
Net-(SW58-DOUT): length 14
  Bottom w0.3: SW59.5 36.47,58.11 arc(35.49,58.3) 34.66,58.86 arc(33.83,59.41) 32.85,59.61 SW58.4
Net-(SW59-DOUT): length 14
  Bottom w0.3: SW59.4 51.89,59.61 arc(52.87,59.41) 53.7,58.86 arc(54.54,58.3) 55.52,58.11 SW60.5
Net-(SW60-DOUT): length 91
  Bottom w0.3: SW60.4 92.59,59.61 arc(94.67,60.02) 96.44,61.2 97.97,62.73 arc(99.73,63.91) 101.81,64.32 112.99,64.32 arc(115.07,63.91) 116.83,62.73 119.86,59.7 arc(121.63,58.52) 123.71,58.11 SW62.5
Net-(SW62-DOUT): length 21.1
  Bottom w0.3: SW62.4 163.93,59.61 arc(164.91,59.41) 165.74,58.86 arc(166.57,58.3) 167.55,58.11 SW63.5
Net-(SW63-DOUT): length 14
  Bottom w0.3: SW64.5 193.65,58.11 arc(192.67,58.3) 191.84,58.86 arc(191.01,59.41) 190.03,59.61 SW63.4
Net-(SW64-DOUT): length 14
  Bottom w0.3: SW64.4 209.08,59.61 arc(210.06,59.41) 210.89,58.86 arc(211.72,58.3) 212.7,58.11 SW65.5
Net-(SW65-DOUT): length 14
  Bottom w0.3: SW66.5 231.75,58.11 arc(230.77,58.3) 229.94,58.86 arc(229.11,59.41) 228.13,59.61 SW65.4
Net-(SW66-DOUT): length 14.1
  Bottom w0.3: SW66.4 247.73,59.61 arc(248.2,59.51) 248.59,59.25 249.34,58.5 arc(249.78,58.21) 250.3,58.11 SW67.5
Net-(SW67-DOUT): length 14
  Bottom w0.3: SW68.5 270.05,58.11 arc(269.07,58.3) 268.24,58.86 arc(267.4,59.41) 266.42,59.61 SW67.4
Net-(SW68-DOUT): length 14
  Bottom w0.3: SW68.4 285.28,59.61 arc(286.25,59.41) 287.09,58.86 arc(287.92,58.3) 288.9,58.11 SW69.5
Net-(SW69-DOUT): length 14
  Bottom w0.3: SW70.5 307.95,58.11 arc(306.97,58.3) 306.13,58.86 arc(305.3,59.41) 304.32,59.61 SW69.4
Net-(SW70-DOUT): length 14
  Bottom w0.3: SW71.5 326.99,58.11 arc(326.01,58.3) 325.18,58.86 arc(324.35,59.41) 323.37,59.61 SW70.4
Net-(SW71-DOUT): length 14
  Bottom w0.3: SW71.4 342.42,59.61 arc(343.4,59.41) 344.23,58.86 arc(345.06,58.3) 346.04,58.11 SW72.5
Net-(SW72-DOUT): length 14
  Bottom w0.3: SW72.4 361.47,59.61 arc(362.45,59.41) 363.28,58.86 arc(364.11,58.3) 365.09,58.11 SW73.5
Net-(SW73-DOUT): length 25.9
  Bottom w0.3: SW73.4 380.52,59.61 arc(381.5,59.41) 382.33,58.86 arc(383.16,58.3) 384.14,58.11 SW74.5
Net-(SW74-DOUT): length 35.4
  Bottom w0.3: SW74.4 411.47,59.61 arc(412.45,59.41) 413.28,58.86 arc(414.11,58.3) 415.09,58.11 SW75.5
Net-(SW75-DOUT): length 482.2
  Bottom w0.3: SW76.5 5.65,29.53 arc(4.56,29.75) 3.63,30.37 arc(3.02,31.29) 2.8,32.38 2.8,32.75 arc(3.08,34.18) 3.9,35.4 10.81,42.31 arc(12.57,43.49) 14.65,43.9 26.3,43.9 arc(26.3,43.9) 26.3,43.9 arc(26.3,43.9) 26.3,43.9 62.02,43.9 arc(62.03,43.9) 62.05,43.89 arc(62.06,43.88) 62.08,43.88 93.19,43.88 arc(93.78,43.76) 94.27,43.43 arc(94.77,43.09) 95.36,42.98 111.66,42.98 arc(112.14,43.07) 112.54,43.34 arc(112.94,43.61) 113.41,43.7 450.15,43.7 arc(452.23,44.11) 453.99,45.29 455.21,46.51 arc(456.39,48.27) 456.8,50.35 456.8,53.55 arc(456.39,55.63) 455.21,57.39 453.86,58.74 arc(452.9,59.38) 451.77,59.61 SW75.4
Net-(SW76-DOUT): length 16.6
  Bottom w0.3: SW77.5 24.33,39.06 arc(22.83,38.76) 21.57,37.91 15.49,31.84 arc(14.6,31.24) 13.54,31.03 SW76.4
Net-(SW77-DOUT): length 14
  Bottom w0.3: SW78.5 36.47,39.06 arc(35.49,39.25) 34.66,39.81 arc(33.83,40.36) 32.85,40.56 SW77.4
Net-(SW78-DOUT): length 14
  Bottom w0.3: SW79.5 55.52,39.06 arc(54.54,39.25) 53.71,39.81 arc(52.88,40.36) 51.9,40.56 SW78.4
Net-(SW79-DOUT): length 39.5
  Bottom w0.3: SW79.4 73.69,40.56 arc(75.77,40.14) 77.54,38.96 80.61,35.89 arc(82.38,34.71) 84.46,34.29 SW93.5
Net-(SW80-DIN): length 50.3
  Bottom w0.3: SW80.5 120.41,39.06 arc(118.33,38.64) 116.57,37.46 115.78,36.67 arc(114.8,36.02) 113.65,35.79 SW93.4
Net-(SW80-DOUT): length 25.9
  Bottom w0.3: SW80.4 168.48,40.56 arc(169.46,40.36) 170.29,39.81 arc(171.12,39.25) 172.1,39.06 SW81.5
Net-(SW81-DOUT): length 14
  Bottom w0.3: SW81.4 199.58,40.56 arc(200.56,40.36) 201.39,39.81 arc(202.22,39.25) 203.2,39.06 SW82.5
Net-(SW82-DOUT): length 14
  Bottom w0.3: SW82.4 218.58,40.56 arc(219.56,40.36) 220.39,39.81 arc(221.22,39.25) 222.2,39.06 SW83.5
Net-(SW83-DOUT): length 14
  Bottom w0.3: SW84.5 241.2,39.06 arc(240.22,39.25) 239.39,39.81 arc(238.56,40.36) 237.58,40.56 SW83.4
Net-(SW84-DOUT): length 14
  Bottom w0.3: SW85.5 260.3,39.06 arc(259.32,39.25) 258.49,39.81 arc(257.66,40.36) 256.68,40.56 SW84.4
Net-(SW85-DOUT): length 14
  Bottom w0.3: SW86.5 279.3,39.06 arc(278.32,39.25) 277.49,39.81 arc(276.66,40.36) 275.68,40.56 SW85.4
Net-(SW86-DOUT): length 14
  Bottom w0.3: SW86.4 294.78,40.56 arc(295.76,40.36) 296.59,39.81 arc(297.42,39.25) 298.4,39.06 SW87.5
Net-(SW87-DOUT): length 14
  Bottom w0.3: SW88.5 317.4,39.06 arc(316.42,39.25) 315.59,39.81 arc(314.76,40.36) 313.78,40.56 SW87.4
Net-(SW88-DOUT): length 14
  Bottom w0.3: SW88.4 332.88,40.56 arc(333.86,40.36) 334.69,39.81 arc(335.52,39.25) 336.5,39.06 SW89.5
Net-(SW89-DOUT): length 14
  Bottom w0.3: SW89.4 351.88,40.56 arc(352.86,40.36) 353.69,39.81 arc(354.52,39.25) 355.5,39.06 SW90.5
Net-(SW90-DOUT): length 21.1
  Bottom w0.3: SW91.5 374.6,39.06 arc(373.62,39.25) 372.79,39.81 arc(371.96,40.36) 370.98,40.56 SW90.4
Net-(SW91-DOUT): length 27.6
  Bottom w0.3: SW94.5 409.31,34.29 arc(407.23,34.71) 405.46,35.89 402.39,38.96 arc(400.62,40.14) 398.54,40.56 SW91.4
Net-(SW92-DIN): length 19.3
  Bottom w0.3: SW94.4 427.96,35.79 arc(429.1,36.02) 430.06,36.66 430.86,37.46 arc(432.63,38.64) 434.71,39.06 SW92.5
Net-(SW92-DOUT): length 465.4
  Bottom w0.3: SW95.5 24.52,20.01 arc(23.48,20.21) 22.6,20.8 22.26,21.14 arc(21.92,21.65) 21.8,22.25 arc(21.92,22.85) 22.26,23.36 22.78,23.88 arc(23.86,24.6) 25.13,24.85 59.78,24.85 arc(61.86,24.44) 63.63,23.26 65.2,21.68 arc(66.97,20.5) 69.05,20.09 125.53,20.09 arc(127.62,20.5) 129.38,21.68 130.96,23.26 arc(132.72,24.44) 134.81,24.85 386.01,24.85 arc(388.09,24.44) 389.86,23.26 391.43,21.68 arc(393.2,20.5) 395.28,20.09 447.14,20.09 arc(449.22,20.5) 450.98,21.68 455.21,25.91 arc(456.39,27.67) 456.8,29.75 456.8,34.55 arc(456.39,36.63) 455.21,38.39 453.93,39.67 arc(452.95,40.33) 451.79,40.56 SW92.4
Net-(SW95-DOUT): length 23.5
  Bottom w0.3: SW95.4 32.85,21.51 arc(33.83,21.31) 34.66,20.76 arc(35.49,20.2) 36.47,20.01 SW96.5
Net-(SW97-DOUT): length 18.7
  Bottom w0.3: SW97.4 159.03,21.51 arc(160.01,21.31) 160.84,20.76 arc(161.67,20.2) 162.65,20.01 SW98.5
Net-(SW98-DOUT): length 18.7
  Bottom w0.3: SW99.5 186.45,20.01 arc(185.47,20.2) 184.64,20.76 arc(183.81,21.31) 182.83,21.51 SW98.4
Net-(SW100-DIN): length 33
  Bottom w0.3: SW100.5 210.35,20.01 arc(209.37,20.2) 208.54,20.76 arc(207.71,21.31) 206.73,21.51 SW99.4
Net-(SW100-DOUT): length 33
  Bottom w0.3: SW100.4 244.73,21.51 arc(245.71,21.31) 246.54,20.76 arc(247.37,20.2) 248.35,20.01 SW101.5
Net-(SW101-DOUT): length 28.2
  Bottom w0.3: SW102.5 286.45,20.01 arc(285.47,20.2) 284.64,20.76 arc(283.81,21.31) 282.83,21.51 SW101.4
Net-(SW102-DOUT): length 25.9
  Bottom w0.3: SW102.4 316.23,21.51 arc(317.21,21.31) 318.04,20.76 arc(318.87,20.2) 319.85,20.01 SW103.5
Net-(SW103-DOUT): length 14
  Bottom w0.3: SW103.4 347.13,21.51 arc(348.11,21.31) 348.94,20.76 arc(349.77,20.2) 350.75,20.01 SW104.5
Net-(SW104-DOUT): length 14
  Bottom w0.3: SW104.4 366.23,21.51 arc(367.21,21.31) 368.04,20.76 arc(368.87,20.2) 369.85,20.01 SW105.5
Net-(SW105-DOUT): length 20.5
  Bottom w0.3: SW105.4 385.13,21.51 arc(386.3,21.27) 387.29,20.61 391.06,16.84 arc(392.83,15.66) 394.91,15.24 SW109.5
Net-(SW106-DIN): length 30.1
  Bottom w0.3: SW106.5 71,15.24 arc(68.92,15.66) 67.15,16.84 63.35,20.64 arc(62.39,21.28) 61.25,21.51 SW96.4
Net-(SW106-DOUT): length 14
  Bottom w0.3: SW106.4 94.76,16.74 arc(95.74,16.55) 96.57,15.99 arc(97.4,15.44) 98.38,15.24 SW107.5
Net-(SW107-DOUT): length 14
  Bottom w0.3: SW107.4 113.8,16.74 arc(114.78,16.55) 115.61,15.99 arc(116.44,15.44) 117.42,15.24 SW108.5
Net-(SW108-DOUT): length 21.7
  Bottom w0.3: SW108.4 132.7,16.74 arc(133.85,16.97) 134.82,17.62 135.61,18.41 arc(137.37,19.59) 139.46,20.01 SW97.5
Net-(SW109-DOUT): length 14
  Bottom w0.3: SW110.5 412.72,15.24 arc(411.74,15.44) 410.91,15.99 arc(410.08,16.55) 409.1,16.74 SW109.4
Net-(SW110-DOUT): length 14
  Bottom w0.3: SW110.4 428.1,16.74 arc(429.08,16.55) 429.91,15.99 arc(430.74,15.44) 431.72,15.24 SW111.5
Net-(U4-USB_DM): length 2.9
  Bottom w0.2: U4.46 109.7,95.67 arc(109.66,95.88) 109.53,96.07 R4.2
Net-(U4-USB_DP): length 2.9
  Bottom w0.2: U4.47 110.1,95.61 arc(110.15,95.85) 110.28,96.05 R3.2

## Copper pours and planes (outline as drawn; the poured copper is in the pictures)
+3V3 on Top, Bottom: 99.4,112.5 102.3,112.5 106.1,114.9 108.6,114.9 108.6,107.7 105.9,107.7 102.1,110.1 99.4,110.1
GND on Top, Bottom: -109.08,231.46 505.6,231.46 505.6,-211.77 -110.34,-211.77

Small or netless copper shapes (teardrops, artwork), in the pictures only: 272 on Top, 1017 on Bottom

## Text on the board
B.Silkscreen: JLCJLCJLCJLC
